# KiCad board Julelys LED.kicad_pcb (continued)
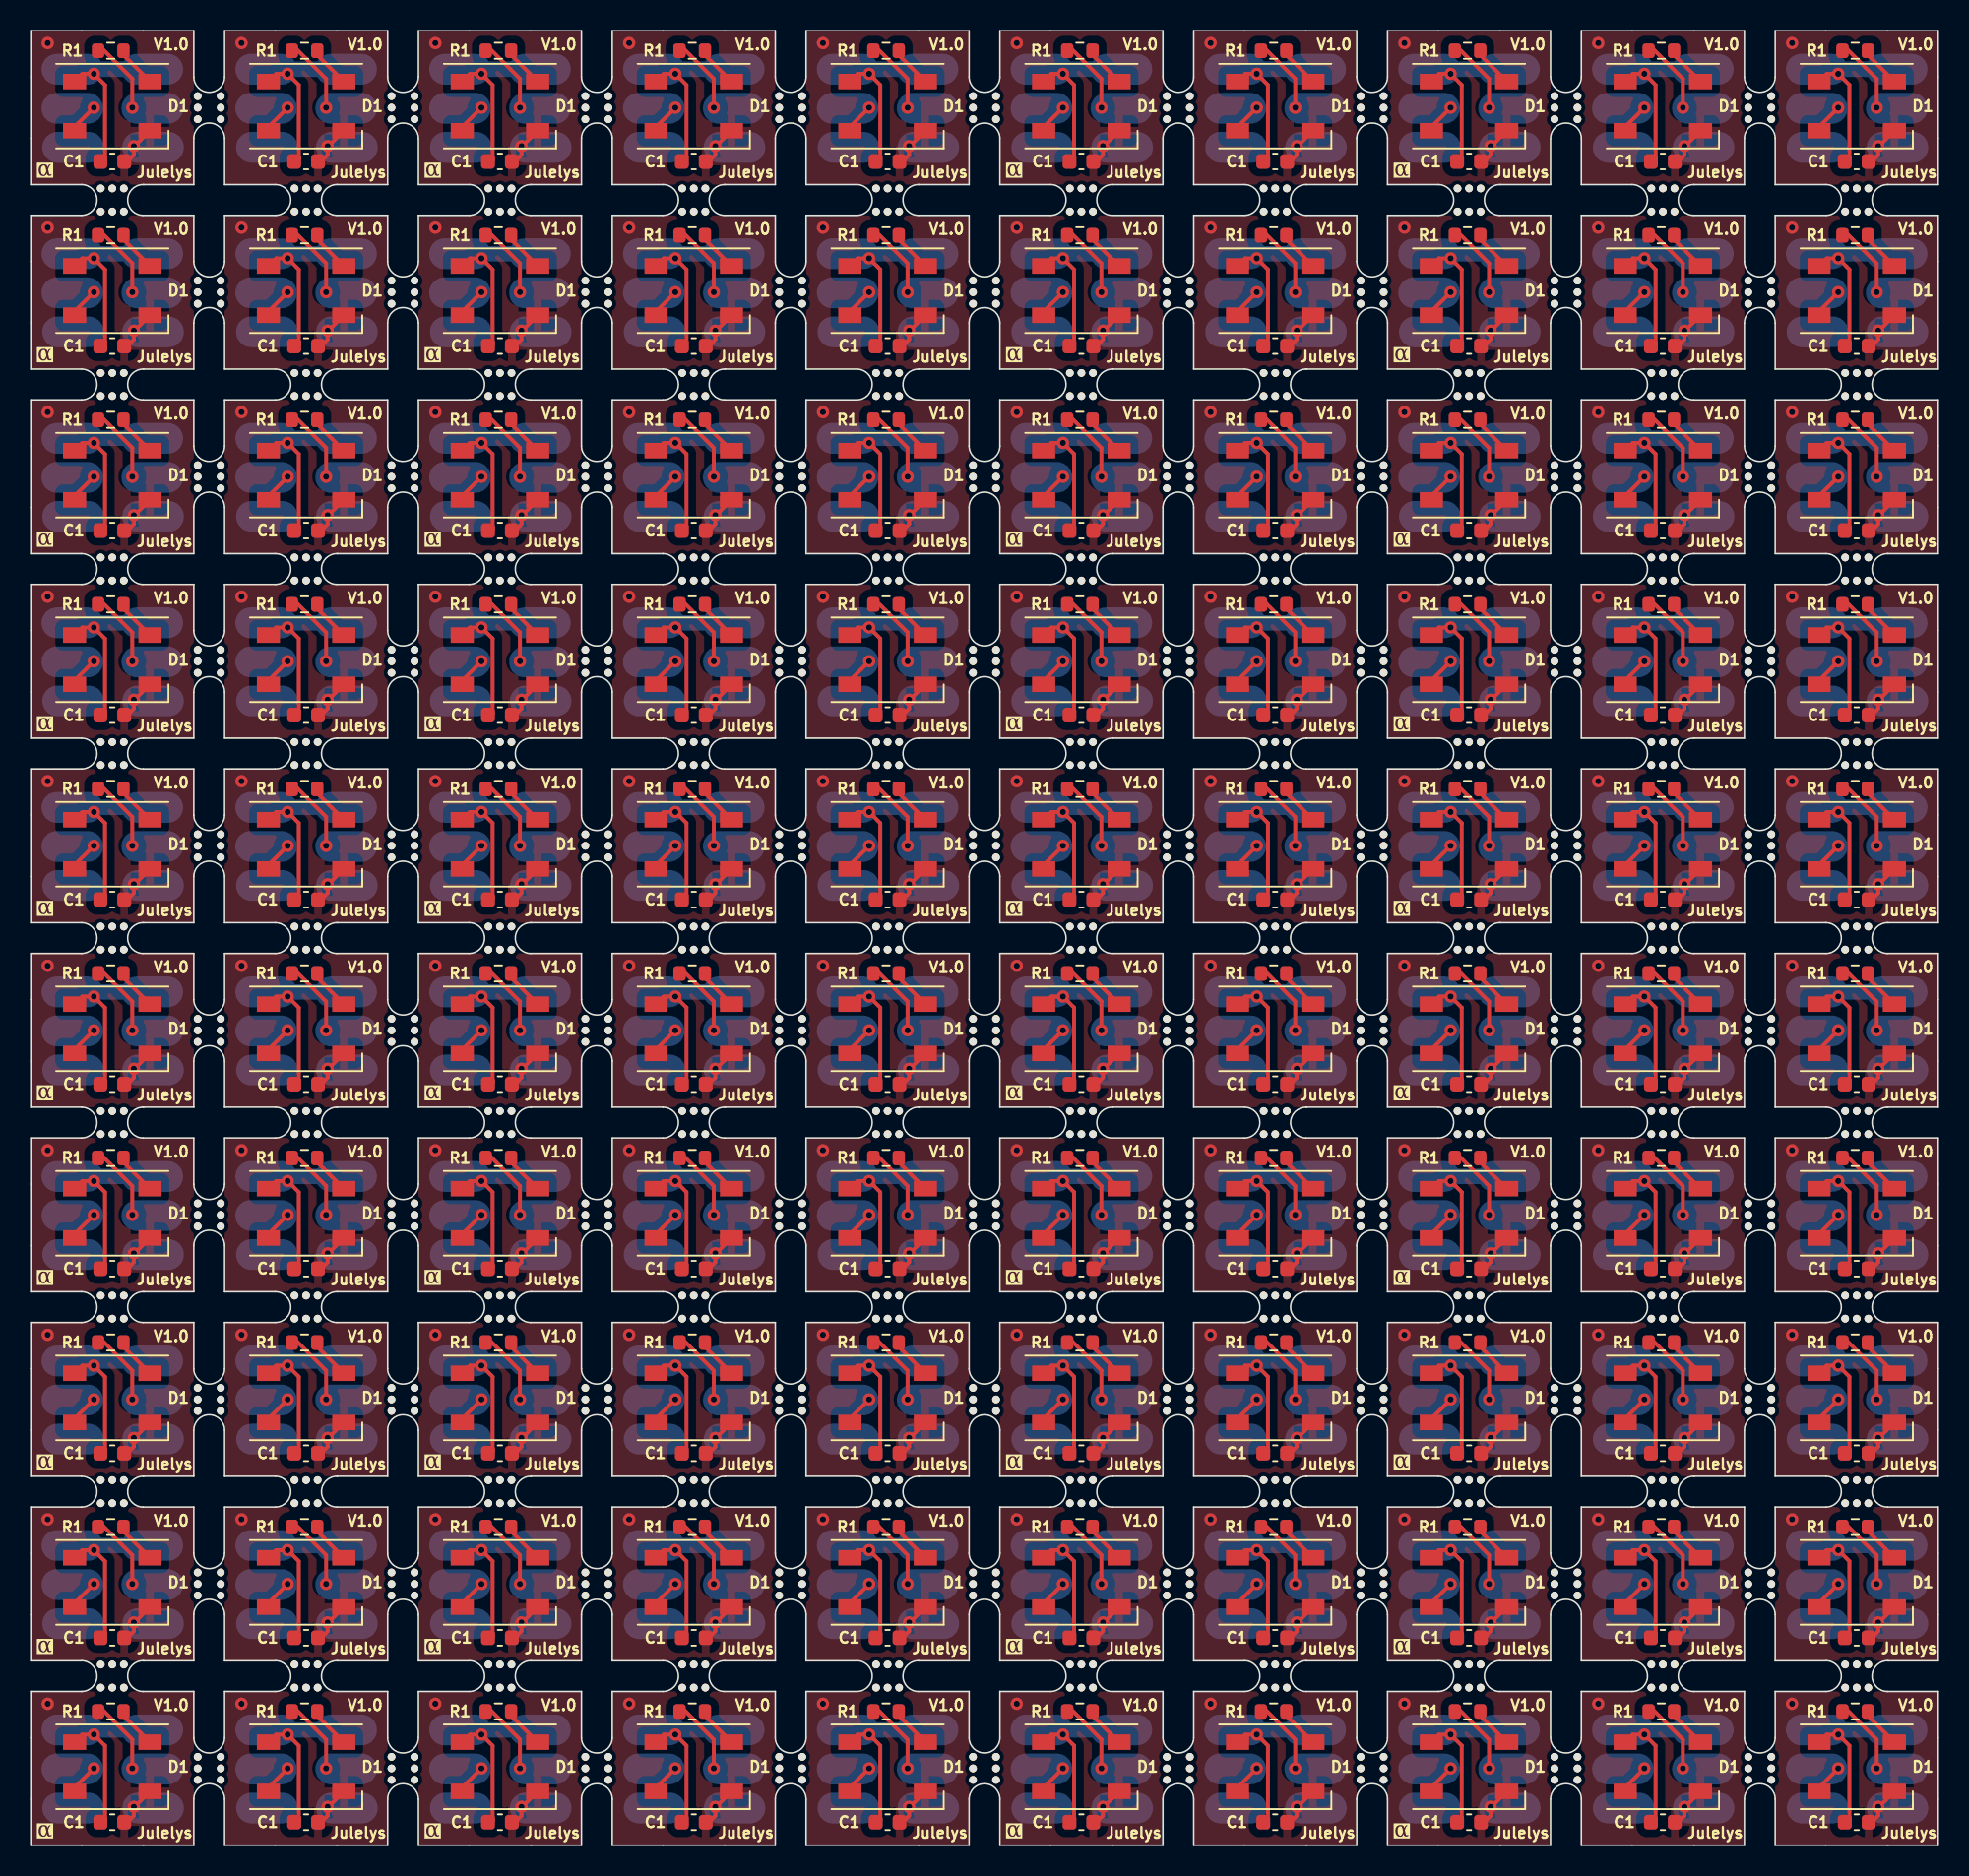
[diagram p0: board, top side]
## Nets (continued)
DOUT: D1.4 D1#2.4 D1#3.4 D1#4.4 D1#5.4 D1#6.4 D1#7.4 D1#8.4 D1#9.4 D1#10.4 D1#11.4 D1#12.4 D1#13.4 D1#14.4 D1#15.4 D1#16.4 D1#17.4 D1#18.4 D1#19.4 D1#20.4 D1#21.4 D1#22.4 D1#23.4 D1#24.4 D1#25.4 D1#26.4 D1#27.4 D1#28.4 D1#29.4 D1#30.4 D1#31.4 D1#32.4 D1#33.4 D1#34.4 D1#35.4 D1#36.4 D1#37.4 D1#38.4 D1#39.4 D1#40.4 D1#41.4 D1#42.4 D1#43.4 D1#44.4 D1#45.4 D1#46.4 D1#47.4 D1#48.4 D1#49.4 D1#50.4 D1#51.4 D1#52.4 D1#53.4 D1#54.4 D1#55.4 D1#56.4 D1#57.4 D1#58.4 D1#59.4 D1#60.4 D1#61.4 D1#62.4 D1#63.4 D1#64.4 D1#65.4 D1#66.4 D1#67.4 D1#68.4 D1#69.4 D1#70.4 D1#71.4 D1#72.4 D1#73.4 D1#74.4 D1#75.4 D1#76.4 D1#77.4 D1#78.4 D1#79.4 D1#80.4 D1#81.4 D1#82.4 D1#83.4 D1#84.4 D1#85.4 D1#86.4 D1#87.4 D1#88.4 D1#89.4 D1#90.4 D1#91.4 D1#92.4 D1#93.4 D1#94.4 D1#95.4 D1#96.4 D1#97.4 D1#98.4 D1#99.4 D1#100.4 P3.2 P3#2.2 P3#3.2 P3#4.2 P3#5.2 P3#6.2 P3#7.2 P3#8.2 P3#9.2 P3#10.2 P3#11.2 P3#12.2 P3#13.2 P3#14.2 P3#15.2 P3#16.2 P3#17.2 P3#18.2 P3#19.2 P3#20.2 P3#21.2 P3#22.2 P3#23.2 P3#24.2 P3#25.2 P3#26.2 P3#27.2 P3#28.2 P3#29.2 P3#30.2 P3#31.2 P3#32.2 P3#33.2 P3#34.2 P3#35.2 P3#36.2 P3#37.2 P3#38.2 P3#39.2 P3#40.2 P3#41.2 P3#42.2 P3#43.2 P3#44.2 P3#45.2 P3#46.2 P3#47.2 P3#48.2 P3#49.2 P3#50.2 P3#51.2 P3#52.2 P3#53.2 P3#54.2 P3#55.2 P3#56.2 P3#57.2 P3#58.2 P3#59.2 P3#60.2 P3#61.2 P3#62.2 P3#63.2 P3#64.2 P3#65.2 P3#66.2 P3#67.2 P3#68.2 P3#69.2 P3#70.2 P3#71.2 P3#72.2 P3#73.2 P3#74.2 P3#75.2 P3#76.2 P3#77.2 P3#78.2 P3#79.2 P3#80.2 P3#81.2 P3#82.2 P3#83.2 P3#84.2 P3#85.2 P3#86.2 P3#87.2 P3#88.2 P3#89.2 P3#90.2 P3#91.2 P3#92.2 P3#93.2 P3#94.2 P3#95.2 P3#96.2 P3#97.2 P3#98.2 P3#99.2 P3#100.2
Net-(D1-DIN): D1.2 D1#2.2 D1#3.2 D1#4.2 D1#5.2 D1#6.2 D1#7.2 D1#8.2 D1#9.2 D1#10.2 D1#11.2 D1#12.2 D1#13.2 D1#14.2 D1#15.2 D1#16.2 D1#17.2 D1#18.2 D1#19.2 D1#20.2 D1#21.2 D1#22.2 D1#23.2 D1#24.2 D1#25.2 D1#26.2 D1#27.2 D1#28.2 D1#29.2 D1#30.2 D1#31.2 D1#32.2 D1#33.2 D1#34.2 D1#35.2 D1#36.2 D1#37.2 D1#38.2 D1#39.2 D1#40.2 D1#41.2 D1#42.2 D1#43.2 D1#44.2 D1#45.2 D1#46.2 D1#47.2 D1#48.2 D1#49.2 D1#50.2 D1#51.2 D1#52.2 D1#53.2 D1#54.2 D1#55.2 D1#56.2 D1#57.2 D1#58.2 D1#59.2 D1#60.2 D1#61.2 D1#62.2 D1#63.2 D1#64.2 D1#65.2 D1#66.2 D1#67.2 D1#68.2 D1#69.2 D1#70.2 D1#71.2 D1#72.2 D1#73.2 D1#74.2 D1#75.2 D1#76.2 D1#77.2 D1#78.2 D1#79.2 D1#80.2 D1#81.2 D1#82.2 D1#83.2 D1#84.2 D1#85.2 D1#86.2 D1#87.2 D1#88.2 D1#89.2 D1#90.2 D1#91.2 D1#92.2 D1#93.2 D1#94.2 D1#95.2 D1#96.2 D1#97.2 D1#98.2 D1#99.2 D1#100.2 R1.2 R1#2.2 R1#3.2 R1#4.2 R1#5.2 R1#6.2 R1#7.2 R1#8.2 R1#9.2 R1#10.2 R1#11.2 R1#12.2 R1#13.2 R1#14.2 R1#15.2 R1#16.2 R1#17.2 R1#18.2 R1#19.2 R1#20.2 R1#21.2 R1#22.2 R1#23.2 R1#24.2 R1#25.2 R1#26.2 R1#27.2 R1#28.2 R1#29.2 R1#30.2 R1#31.2 R1#32.2 R1#33.2 R1#34.2 R1#35.2 R1#36.2 R1#37.2 R1#38.2 R1#39.2 R1#40.2 R1#41.2 R1#42.2 R1#43.2 R1#44.2 R1#45.2 R1#46.2 R1#47.2 R1#48.2 R1#49.2 R1#50.2 R1#51.2 R1#52.2 R1#53.2 R1#54.2 R1#55.2 R1#56.2 R1#57.2 R1#58.2 R1#59.2 R1#60.2 R1#61.2 R1#62.2 R1#63.2 R1#64.2 R1#65.2 R1#66.2 R1#67.2 R1#68.2 R1#69.2 R1#70.2 R1#71.2 R1#72.2 R1#73.2 R1#74.2 R1#75.2 R1#76.2 R1#77.2 R1#78.2 R1#79.2 R1#80.2 R1#81.2 R1#82.2 R1#83.2 R1#84.2 R1#85.2 R1#86.2 R1#87.2 R1#88.2 R1#89.2 R1#90.2 R1#91.2 R1#92.2 R1#93.2 R1#94.2 R1#95.2 R1#96.2 R1#97.2 R1#98.2 R1#99.2 R1#100.2

## Via types
v1: diameter 0.8, hole 0.4, Top to Bottom, 500 vias

## Routing (per net, layer and track width the routed paths; a pad name or vN(x,y) marks a point on that pad's centre or on a via; arc(x,y) is an arc through that point)
+5V: length 1298.2
  Top w0.25: D1#55.3 28.55,43.19 v1(29.3,43.19) 30.03,42.47 30.03,37.59 29.73,37.29 ; D1#53.3 66.35,115.19 v1(67.1,115.19) 67.83,114.47 67.83,109.59 67.52,109.29 ; 105.33,25.29 105.63,25.59 105.63,30.47 v1(104.9,31.19) 104.15,31.19 D1#59.3 ; 105.33,49.29 105.63,49.59 105.63,54.47 v1(104.9,55.19) 104.15,55.19 D1#98.3 ; 92.73,73.29 93.02,73.59 93.02,78.47 v1(92.3,79.19) 91.55,79.19 D1#100.3 ; D1#22.3 41.15,115.19 v1(41.9,115.19) 42.62,114.47 42.62,109.59 42.33,109.29 ; 80.13,13.29 80.42,13.59 80.42,18.47 v1(79.7,19.19) 78.95,19.19 D1#36.3 ; D1#41.3 104.15,7.2 v1(104.9,7.2) 105.63,6.47 105.63,1.6 105.33,1.3 ; 42.33,85.29 42.62,85.59 42.62,90.47 v1(41.9,91.19) 41.15,91.19 D1#82.3 ; D1#45.3 78.95,67.19 v1(79.7,67.19) 80.42,66.47 80.42,61.59 80.13,61.29 ; 67.52,97.29 67.83,97.59 67.83,102.47 v1(67.1,103.19) 66.35,103.19 D1#49.3 ; D1#42.3 66.35,7.2 v1(67.1,7.2) 67.83,6.47 67.83,1.6 67.52,1.3 ; 92.73,13.29 93.02,13.59 93.02,18.47 v1(92.3,19.19) 91.55,19.19 D1#32.3 ; 92.73,85.29 93.02,85.59 93.02,90.47 v1(92.3,91.19) 91.55,91.19 D1#30.3 ; 92.73,109.29 93.02,109.59 93.02,114.47 v1(92.3,115.19) 91.55,115.19 D1#57.3 ; D1#7.3 116.75,43.19 v1(117.5,43.19) 118.23,42.47 118.23,37.59 117.92,37.29 ; 4.53,13.29 4.83,13.59 4.83,18.47 v1(4.1,19.19) 3.35,19.19 D1#77.3 ; D1#46.3 104.15,19.19 v1(104.9,19.19) 105.63,18.47 105.63,13.59 105.33,13.29 ; 17.12,49.29 17.42,49.59 17.42,54.47 v1(16.7,55.19) 15.95,55.19 D1#44.3 ; D1#4.3 104.15,67.19 v1(104.9,67.19) 105.63,66.47 105.63,61.59 105.33,61.29 ; 17.12,13.29 17.42,13.59 17.42,18.47 v1(16.7,19.19) 15.95,19.19 D1#63.3 ; D1#58.3 116.75,19.19 v1(117.5,19.19) 118.23,18.47 118.23,13.59 117.92,13.29 ; 29.73,61.29 30.03,61.59 30.03,66.47 v1(29.3,67.19) 28.55,67.19 D1#91.3 ; 42.33,1.3 42.62,1.6 42.62,6.47 v1(41.9,7.2) 41.15,7.2 D1#48.3 ; 105.33,97.29 105.63,97.59 105.63,102.47 v1(104.9,103.19) 104.15,103.19 D1#24.3 ; 17.12,109.29 17.42,109.59 17.42,114.47 v1(16.7,115.19) 15.95,115.19 D1#74.3 ; 4.53,37.29 4.83,37.59 4.83,42.47 v1(4.1,43.19) 3.35,43.19 D1#23.3 ; D1#60.3 116.75,103.19 v1(117.5,103.19) 118.23,102.47 118.23,97.59 117.92,97.29 ; 4.53,73.29 4.83,73.59 4.83,78.47 v1(4.1,79.19) 3.35,79.19 D1#95.3 ; D1#27.3 41.15,43.19 v1(41.9,43.19) 42.62,42.47 42.62,37.59 42.33,37.29 ; D1#96.3 66.35,43.19 v1(67.1,43.19) 67.83,42.47 67.83,37.59 67.52,37.29 ; D1#75.3 53.75,67.19 v1(54.5,67.19) 55.23,66.47 55.23,61.59 54.92,61.29 ; 54.92,109.29 55.23,109.59 55.23,114.47 v1(54.5,115.19) 53.75,115.19 D1#92.3 ; D1#14.3 66.35,55.19 v1(67.1,55.19) 67.83,54.47 67.83,49.59 67.52,49.29 ; 29.73,49.29 30.03,49.59 30.03,54.47 v1(29.3,55.19) 28.55,55.19 D1#93.3 ; 67.52,25.29 67.83,25.59 67.83,30.47 v1(67.1,31.19) 66.35,31.19 D1#80.3 ; D1#47.3 41.15,31.19 v1(41.9,31.19) 42.62,30.47 42.62,25.59 42.33,25.29 ; D1#16.3 116.75,7.2 v1(117.5,7.2) 118.23,6.47 118.23,1.6 117.92,1.3 ; D1#37.3 116.75,55.19 v1(117.5,55.19) 118.23,54.47 118.23,49.59 117.92,49.29 ; D1#97.3 66.35,79.19 v1(67.1,79.19) 67.83,78.47 67.83,73.59 67.52,73.29 ; D1#31.3 78.95,115.19 v1(79.7,115.19) 80.42,114.47 80.42,109.59 80.13,109.29 ; 4.53,109.29 4.83,109.59 4.83,114.47 v1(4.1,115.19) 3.35,115.19 D1#11.3 ; D1#65.3 41.15,103.19 v1(41.9,103.19) 42.62,102.47 42.62,97.59 42.33,97.29 ; D1#68.3 78.95,103.19 v1(79.7,103.19) 80.42,102.47 80.42,97.59 80.13,97.29 ; 92.73,49.29 93.02,49.59 93.02,54.47 v1(92.3,55.19) 91.55,55.19 D1#51.3 ; D1#50.3 53.75,91.19 v1(54.5,91.19) 55.23,90.47 55.23,85.59 54.92,85.29 ; 29.73,73.29 30.03,73.59 30.03,78.47 v1(29.3,79.19) 28.55,79.19 D1#67.3 ; D1#35.3 28.55,115.19 v1(29.3,115.19) 30.03,114.47 30.03,109.59 29.73,109.29 ; D1#12.3 91.55,103.19 v1(92.3,103.19) 93.02,102.47 93.02,97.59 92.73,97.29 ; 17.12,37.29 17.42,37.59 17.42,42.47 v1(16.7,43.19) 15.95,43.19 D1#54.3 ; D1#66.3 116.75,79.19 v1(117.5,79.19) 118.23,78.47 118.23,73.59 117.92,73.29 ; 4.53,97.29 4.83,97.59 4.83,102.47 v1(4.1,103.19) 3.35,103.19 D1#40.3 ; 54.92,73.29 55.23,73.59 55.23,78.47 v1(54.5,79.19) 53.75,79.19 D1#6.3 ; D1#62.3 78.95,43.19 v1(79.7,43.19) 80.42,42.47 80.42,37.59 80.13,37.29 ; D1#94.3 104.15,115.19 v1(104.9,115.19) 105.63,114.47 105.63,109.59 105.33,109.29 ; 29.73,1.3 30.03,1.6 30.03,6.47 v1(29.3,7.2) 28.55,7.2 D1#34.3 ; 42.33,73.29 42.62,73.59 42.62,78.47 v1(41.9,79.19) 41.15,79.19 D1#38.3 ; D1#81.3 53.75,31.19 v1(54.5,31.19) 55.23,30.47 55.23,25.59 54.92,25.29 ; 105.33,85.29 105.63,85.59 105.63,90.47 v1(104.9,91.19) 104.15,91.19 D1#3.3 ; 105.33,73.29 105.63,73.59 105.63,78.47 v1(104.9,79.19) 104.15,79.19 D1#89.3 ; 105.33,37.29 105.63,37.59 105.63,42.47 v1(104.9,43.19) 104.15,43.19 D1#88.3 ; D1#43.3 91.55,31.19 v1(92.3,31.19) 93.02,30.47 93.02,25.59 92.73,25.29 ; D1#10.3 116.75,115.19 v1(117.5,115.19) 118.23,114.47 118.23,109.59 117.92,109.29 ; 17.12,61.29 17.42,61.59 17.42,66.47 v1(16.7,67.19) 15.95,67.19 D1#87.3 ; 42.33,49.29 42.62,49.59 42.62,54.47 v1(41.9,55.19) 41.15,55.19 D1#71.3 ; D1#9.3 53.75,43.19 v1(54.5,43.19) 55.23,42.47 55.23,37.59 54.92,37.29 ; D1#18.3 116.75,31.19 v1(117.5,31.19) 118.23,30.47 118.23,25.59 117.92,25.29 ; D1#19.3 91.55,67.19 v1(92.3,67.19) 93.02,66.47 93.02,61.59 92.73,61.29 ; D1#20.3 53.75,103.19 v1(54.5,103.19) 55.23,102.47 55.23,97.59 54.92,97.29 ; D1#85.3 78.95,79.19 v1(79.7,79.19) 80.42,78.47 80.42,73.59 80.13,73.29 ; D1#70.3 3.35,7.2 v1(4.1,7.2) 4.83,6.47 4.83,1.6 4.53,1.3 ; 17.12,73.29 17.42,73.59 17.42,78.47 v1(16.7,79.19) 15.95,79.19 D1#17.3 ; 29.73,25.29 30.03,25.59 30.03,30.47 v1(29.3,31.19) 28.55,31.19 D1.3 ; D1#52.3 116.75,67.19 v1(117.5,67.19) 118.23,66.47 118.23,61.59 117.92,61.29 ; 29.73,97.29 30.03,97.59 30.03,102.47 v1(29.3,103.19) 28.55,103.19 D1#5.3 ; 29.73,13.29 30.03,13.59 30.03,18.47 v1(29.3,19.19) 28.55,19.19 D1#64.3 ; 67.52,13.29 67.83,13.59 67.83,18.47 v1(67.1,19.19) 66.35,19.19 D1#39.3 ; 67.52,61.29 67.83,61.59 67.83,66.47 v1(67.1,67.19) 66.35,67.19 D1#13.3 ; 17.12,1.3 17.42,1.6 17.42,6.47 v1(16.7,7.2) 15.95,7.2 D1#73.3 ; D1#28.3 91.55,7.2 v1(92.3,7.2) 93.02,6.47 93.02,1.6 92.73,1.3 ; D1#15.3 78.95,7.2 v1(79.7,7.2) 80.42,6.47 80.42,1.6 80.13,1.3 ; 4.53,61.29 4.83,61.59 4.83,66.47 v1(4.1,67.19) 3.35,67.19 D1#99.3 ; D1#90.3 66.35,91.19 v1(67.1,91.19) 67.83,90.47 67.83,85.59 67.52,85.29 ; 4.53,25.29 4.83,25.59 4.83,30.47 v1(4.1,31.19) 3.35,31.19 D1#69.3 ; 54.92,13.29 55.23,13.59 55.23,18.47 v1(54.5,19.19) 53.75,19.19 D1#78.3 ; 80.13,25.29 80.42,25.59 80.42,30.47 v1(79.7,31.19) 78.95,31.19 D1#79.3 ; D1#2.3 41.15,67.19 v1(41.9,67.19) 42.62,66.47 42.62,61.59 42.33,61.29 ; 80.13,49.29 80.42,49.59 80.42,54.47 v1(79.7,55.19) 78.95,55.19 D1#29.3 ; D1#72.3 3.35,91.19 v1(4.1,91.19) 4.83,90.47 4.83,85.59 4.53,85.29 ; 54.92,49.29 55.23,49.59 55.23,54.47 v1(54.5,55.19) 53.75,55.19 D1#56.3 ; 92.73,37.29 93.02,37.59 93.02,42.47 v1(92.3,43.19) 91.55,43.19 D1#26.3 ; D1#76.3 3.35,55.19 v1(4.1,55.19) 4.83,54.47 4.83,49.59 4.53,49.29 ; 29.73,85.29 30.03,85.59 30.03,90.47 v1(29.3,91.19) 28.55,91.19 D1#83.3 ; D1#84.3 116.75,91.19 v1(117.5,91.19) 118.23,90.47 118.23,85.59 117.92,85.29 ; D1#33.3 15.95,91.19 v1(16.7,91.19) 17.42,90.47 17.42,85.59 17.12,85.29 ; 80.13,85.29 80.42,85.59 80.42,90.47 v1(79.7,91.19) 78.95,91.19 D1#21.3 ; D1#86.3 15.95,103.19 v1(16.7,103.19) 17.42,102.47 17.42,97.59 17.12,97.29 ; 42.33,13.29 42.62,13.59 42.62,18.47 v1(41.9,19.19) 41.15,19.19 D1#25.3 ; D1#8.3 53.75,7.2 v1(54.5,7.2) 55.23,6.47 55.23,1.6 54.92,1.3 ; 17.12,25.29 17.42,25.59 17.42,30.47 v1(16.7,31.19) 15.95,31.19 D1#61.3
  Bottom w1: P1#49.1 P3#47.1 ; P1#100.1 P3#70.1 ; P1#56.1 P3#25.1 ; P1#53.1 P3#99.1 ; P1#51.1 P3#62.1 ; P1#43.1 P3#69.1 ; P1#57.1 P3#64.1 ; 108.7,115.49 103.5,115.49 ; P1#62.1 P3#90.1 ; P1#87.1 P3#22.1 ; P1#32.1 P3#86.1 ; P1#60.1 P3#30.1 ; P1#54.1 P3#67.1 ; P1#93.1 P3#85.1 ; P1#82.1 P3#50.1 ; P1#52.1 P3#45.1 ; 20.5,115.49 15.3,115.49 ; P1#99.1 P3#10.1 ; P1#4.1 P3#34.1 ; P1#36.1 P3#27.1 ; P1#78.1 P3.1 ; P1#38.1 P3#32.1 ; 83.5,115.49 78.3,115.49 ; P1#35.1 P3#56.1 ; P1#76.1 P3#28.1 ; P1#48.1 P3#73.1 ; P1#5.1 P3#31.1 ; P1#27.1 P3#58.1 ; P1#30.1 P3#82.1 ; P1#61.1 P3#81.1 ; 33.1,115.49 27.9,115.49 ; P1#77.1 P3#8.1 ; P1#2.1 P3#97.1 ; P1#66.1 P3#38.1 ; P1#39.1 P3#94.1 ; P1#68.1 P3#9.1 ; P1#46.1 P3#53.1 ; P1#34.1 P3#75.1 ; P1#75.1 P3#26.1 ; P1#31.1 P3#93.1 ; P1#90.1 P3#21.1 ; P1#47.1 P3#59.1 ; P1#83.1 P3#41.1 ; P1#9.1 P3#87.1 ; P1#7.1 P3#52.1 ; P1#22.1 P3#37.1 ; P1#79.1 P3#7.1 ; P1#73.1 P3#68.1 ; P1#42.1 P3#40.1 ; P1#55.1 P3#55.1 ; P1#92.1 P3#14.1 ; P1#18.1 P3#60.1 ; P1#50.1 P3#88.1 ; P1#19.1 P3#6.1 ; P1#70.1 P3#57.1 ; 58.3,115.49 53.1,115.49 ; 121.3,115.49 116.1,115.49 ; P1#40.1 P3#74.1 ; P1#45.1 P3#92.1 ; 45.7,115.49 40.5,115.49 ; P1#96.1 P3#63.1 ; P1#69.1 P3#89.1 ; P1#88.1 P3#61.1 ; P1#16.1 P3#48.1 ; P1#6.1 P3#100.1 ; P1#33.1 P3#2.1 ; P1#13.1 P3#83.1 ; P1#74.1 P3#77.1 ; P1.1 P3#98.1 ; P1#37.1 P3#66.1 ; P1#17.1 P3#79.1 ; P1#44.1 P3#95.1 ; P1#98.1 P3#16.1 ; P1#24.1 P3#5.1 ; P1#63.1 P3#24.1 ; P1#11.1 P3#4.1 ; 7.9,115.49 2.7,115.49 ; P1#14.1 P3#80.1 ; P1#20.1 P3#13.1 ; P1#71.1 P3#54.1 ; P1#84.1 P3#20.1 ; P1#26.1 P3#71.1 ; 70.9,115.49 65.7,115.49 ; P1#59.1 P3#43.1 ; P1#23.1 P3#76.1 ; P1#29.1 P3#23.1 ; P1#25.1 P3#36.1 ; P1#58.1 P3#39.1 ; P1#21.1 P3#12.1 ; P1#97.1 P3#91.1 ; P1#86.1 P3#84.1 ; P1#81.1 P3#96.1 ; 96.1,115.49 90.9,115.49 ; P1#12.1 P3#78.1 ; P1#91.1 P3#72.1 ; P1#10.1 P3#33.1 ; P1#72.1 P3#17.1 ; P1#8.1 P3#11.1 ; P1#85.1 P3#3.1 ; P1#94.1 P3#18.1
GND: length 292.3
  Top w0.25: 31.28,13.29 31.9,13.92 v1(31.9,14.49) 31.95,14.49 D1#64.1 ; D1#44.1 19.35,50.49 v1(19.3,50.49) 19.3,49.92 18.67,49.29 ; D1#74.1 19.35,110.49 v1(19.3,110.49) 19.3,109.92 18.67,109.29 ; 43.88,1.3 44.5,1.92 v1(44.5,2.5) 44.55,2.5 D1#48.1 ; D1#57.1 94.95,110.49 v1(94.9,110.49) 94.9,109.92 94.27,109.29 ; 18.67,1.3 19.3,1.92 v1(19.3,2.5) 19.35,2.5 D1#73.1 ; 69.08,73.29 69.7,73.92 v1(69.7,74.49) 69.75,74.49 D1#97.1 ; D1#39.1 69.75,14.49 v1(69.7,14.49) 69.7,13.92 69.08,13.29 ; D1#66.1 120.15,74.49 v1(120.1,74.49) 120.1,73.92 119.48,73.29 ; 31.28,1.3 31.9,1.92 v1(31.9,2.5) 31.95,2.5 D1#34.1 ; D1#38.1 44.55,74.49 v1(44.5,74.49) 44.5,73.92 43.88,73.29 ; 106.88,97.29 107.5,97.92 v1(107.5,98.49) 107.55,98.49 D1#24.1 ; D1#84.1 120.15,86.49 v1(120.1,86.49) 120.1,85.92 119.48,85.29 ; 81.67,97.29 82.3,97.92 v1(82.3,98.49) 82.35,98.49 D1#68.1 ; D1#43.1 94.95,26.49 v1(94.9,26.49) 94.9,25.92 94.27,25.29 ; 81.67,49.29 82.3,49.92 v1(82.3,50.49) 82.35,50.49 D1#29.1 ; 94.27,37.29 94.9,37.92 v1(94.9,38.49) 94.95,38.49 D1#26.1 ; 18.67,73.29 19.3,73.92 v1(19.3,74.49) 19.35,74.49 D1#17.1 ; D1#8.1 57.15,2.5 v1(57.1,2.5) 57.1,1.92 56.48,1.3 ; D1#100.1 94.95,74.49 v1(94.9,74.49) 94.9,73.92 94.27,73.29 ; 43.88,97.29 44.5,97.92 v1(44.5,98.49) 44.55,98.49 D1#65.1 ; 106.88,73.29 107.5,73.92 v1(107.5,74.49) 107.55,74.49 D1#89.1 ; D1#28.1 94.95,2.5 v1(94.9,2.5) 94.9,1.92 94.27,1.3 ; D1#23.1 6.75,38.49 v1(6.7,38.49) 6.7,37.92 6.08,37.29 ; D1#88.1 107.55,38.49 v1(107.5,38.49) 107.5,37.92 106.88,37.29 ; D1#78.1 57.15,14.49 v1(57.1,14.49) 57.1,13.92 56.48,13.29 ; 56.48,37.29 57.1,37.92 v1(57.1,38.49) 57.15,38.49 D1#9.1 ; 18.67,97.29 19.3,97.92 v1(19.3,98.49) 19.35,98.49 D1#86.1 ; 81.67,85.29 82.3,85.92 v1(82.3,86.49) 82.35,86.49 D1#21.1 ; 43.88,25.29 44.5,25.92 v1(44.5,26.49) 44.55,26.49 D1#47.1 ; D1#35.1 31.95,110.49 v1(31.9,110.49) 31.9,109.92 31.28,109.29 ; D1#96.1 69.75,38.49 v1(69.7,38.49) 69.7,37.92 69.08,37.29 ; 18.67,85.29 19.3,85.92 v1(19.3,86.49) 19.35,86.49 D1#33.1 ; 106.88,49.29 107.5,49.92 v1(107.5,50.49) 107.55,50.49 D1#98.1 ; D1#82.1 44.55,86.49 v1(44.5,86.49) 44.5,85.92 43.88,85.29 ; D1#31.1 82.35,110.49 v1(82.3,110.49) 82.3,109.92 81.67,109.29 ; D1#30.1 94.95,86.49 v1(94.9,86.49) 94.9,85.92 94.27,85.29 ; D1#85.1 82.35,74.49 v1(82.3,74.49) 82.3,73.92 81.67,73.29 ; 56.48,109.29 57.1,109.92 v1(57.1,110.49) 57.15,110.49 D1#92.1 ; 56.48,61.29 57.1,61.92 v1(57.1,62.49) 57.15,62.49 D1#75.1 ; D1#14.1 69.75,50.49 v1(69.7,50.49) 69.7,49.92 69.08,49.29 ; D1#59.1 107.55,26.49 v1(107.5,26.49) 107.5,25.92 106.88,25.29 ; D1#83.1 31.95,86.49 v1(31.9,86.49) 31.9,85.92 31.28,85.29 ; 31.28,61.29 31.9,61.92 v1(31.9,62.49) 31.95,62.49 D1#91.1 ; D1#37.1 120.15,50.49 v1(120.1,50.49) 120.1,49.92 119.48,49.29 ; 106.88,13.29 107.5,13.92 v1(107.5,14.49) 107.55,14.49 D1#46.1 ; D1#19.1 94.95,62.49 v1(94.9,62.49) 94.9,61.92 94.27,61.29 ; 31.28,97.29 31.9,97.92 v1(31.9,98.49) 31.95,98.49 D1#5.1 ; 56.48,73.29 57.1,73.92 v1(57.1,74.49) 57.15,74.49 D1#6.1 ; 119.48,109.29 120.1,109.92 v1(120.1,110.49) 120.15,110.49 D1#10.1 ; D1#4.1 107.55,62.49 v1(107.5,62.49) 107.5,61.92 106.88,61.29 ; 56.48,85.29 57.1,85.92 v1(57.1,86.49) 57.15,86.49 D1#50.1 ; D1#13.1 69.75,62.49 v1(69.7,62.49) 69.7,61.92 69.08,61.29 ; D1#94.1 107.55,110.49 v1(107.5,110.49) 107.5,109.92 106.88,109.29 ; D1#61.1 19.35,26.49 v1(19.3,26.49) 19.3,25.92 18.67,25.29 ; 6.08,25.29 6.7,25.92 v1(6.7,26.49) 6.75,26.49 D1#69.1 ; D1#70.1 6.75,2.5 v1(6.7,2.5) 6.7,1.92 6.08,1.3 ; 69.08,109.29 69.7,109.92 v1(69.7,110.49) 69.75,110.49 D1#53.1 ; 69.08,85.29 69.7,85.92 v1(69.7,86.49) 69.75,86.49 D1#90.1 ; D1#60.1 120.15,98.49 v1(120.1,98.49) 120.1,97.92 119.48,97.29 ; 119.48,61.29 120.1,61.92 v1(120.1,62.49) 120.15,62.49 D1#52.1 ; 119.48,37.29 120.1,37.92 v1(120.1,38.49) 120.15,38.49 D1#7.1 ; 31.28,25.29 31.9,25.92 v1(31.9,26.49) 31.95,26.49 D1.1 ; 119.48,1.3 120.1,1.92 v1(120.1,2.5) 120.15,2.5 D1#16.1 ; 81.67,13.29 82.3,13.92 v1(82.3,14.49) 82.35,14.49 D1#36.1 ; D1#62.1 82.35,38.49 v1(82.3,38.49) 82.3,37.92 81.67,37.29 ; D1#18.1 120.15,26.49 v1(120.1,26.49) 120.1,25.92 119.48,25.29 ; 106.88,1.3 107.5,1.92 v1(107.5,2.5) 107.55,2.5 D1#41.1 ; D1#72.1 6.75,86.49 v1(6.7,86.49) 6.7,85.92 6.08,85.29 ; 81.67,1.3 82.3,1.92 v1(82.3,2.5) 82.35,2.5 D1#15.1 ; D1#99.1 6.75,62.49 v1(6.7,62.49) 6.7,61.92 6.08,61.29 ; 31.28,49.29 31.9,49.92 v1(31.9,50.49) 31.95,50.49 D1#93.1 ; 56.48,49.29 57.1,49.92 v1(57.1,50.49) 57.15,50.49 D1#56.1 ; D1#3.1 107.55,86.49 v1(107.5,86.49) 107.5,85.92 106.88,85.29 ; 43.88,37.29 44.5,37.92 v1(44.5,38.49) 44.55,38.49 D1#27.1 ; 119.48,13.29 120.1,13.92 v1(120.1,14.49) 120.15,14.49 D1#58.1 ; 69.08,97.29 69.7,97.92 v1(69.7,98.49) 69.75,98.49 D1#49.1 ; D1#54.1 19.35,38.49 v1(19.3,38.49) 19.3,37.92 18.67,37.29 ; D1#67.1 31.95,74.49 v1(31.9,74.49) 31.9,73.92 31.28,73.29 ; D1#71.1 44.55,50.49 v1(44.5,50.49) 44.5,49.92 43.88,49.29 ; D1#45.1 82.35,62.49 v1(82.3,62.49) 82.3,61.92 81.67,61.29 ; D1#63.1 19.35,14.49 v1(19.3,14.49) 19.3,13.92 18.67,13.29 ; D1#25.1 44.55,14.49 v1(44.5,14.49) 44.5,13.92 43.88,13.29 ; D1#87.1 19.35,62.49 v1(19.3,62.49) 19.3,61.92 18.67,61.29 ; 43.88,109.29 44.5,109.92 v1(44.5,110.49) 44.55,110.49 D1#22.1 ; 6.08,73.29 6.7,73.92 v1(6.7,74.49) 6.75,74.49 D1#95.1 ; 94.27,49.29 94.9,49.92 v1(94.9,50.49) 94.95,50.49 D1#51.1 ; D1#55.1 31.95,38.49 v1(31.9,38.49) 31.9,37.92 31.28,37.29 ; D1#79.1 82.35,26.49 v1(82.3,26.49) 82.3,25.92 81.67,25.29 ; D1#81.1 57.15,26.49 v1(57.1,26.49) 57.1,25.92 56.48,25.29 ; 6.08,109.29 6.7,109.92 v1(6.7,110.49) 6.75,110.49 D1#11.1 ; 43.88,61.29 44.5,61.92 v1(44.5,62.49) 44.55,62.49 D1#2.1 ; 56.48,97.29 57.1,97.92 v1(57.1,98.49) 57.15,98.49 D1#20.1 ; D1#42.1 69.75,2.5 v1(69.7,2.5) 69.7,1.92 69.08,1.3 ; D1#76.1 6.75,50.49 v1(6.7,50.49) 6.7,49.92 6.08,49.29 ; 69.08,25.29 69.7,25.92 v1(69.7,26.49) 69.75,26.49 D1#80.1 ; 6.08,13.29 6.7,13.92 v1(6.7,14.49) 6.75,14.49 D1#77.1 ; 6.08,97.29 6.7,97.92 v1(6.7,98.49) 6.75,98.49 D1#40.1 ; D1#12.1 94.95,98.49 v1(94.9,98.49) 94.9,97.92 94.27,97.29 ; D1#32.1 94.95,14.49 v1(94.9,14.49) 94.9,13.92 94.27,13.29
  vias: v1(1.1,117.19) v1(1.1,105.19) v1(1.1,93.19) v1(1.1,81.19) v1(1.1,69.19) v1(1.1,57.19) v1(1.1,45.19) v1(1.1,33.19) v1(1.1,21.19) v1(1.1,9.2) v1(13.7,117.19) v1(13.7,105.19) v1(13.7,93.19) v1(13.7,81.19) v1(13.7,69.19) v1(13.7,57.19) v1(13.7,45.19) v1(13.7,33.19) v1(13.7,21.19) v1(13.7,9.2) v1(26.3,117.19) v1(26.3,105.19) v1(26.3,93.19) v1(26.3,81.19) v1(26.3,69.19) v1(26.3,57.19) v1(26.3,45.19) v1(26.3,33.19) v1(26.3,21.19) v1(26.3,9.2) v1(38.9,117.19) v1(38.9,105.19) v1(38.9,93.19) v1(38.9,81.19) v1(38.9,69.19) v1(38.9,57.19) v1(38.9,45.19) v1(38.9,33.19) v1(38.9,21.19) v1(38.9,9.2) v1(51.5,117.19) v1(51.5,105.19) v1(51.5,93.19) v1(51.5,81.19) v1(51.5,69.19) v1(51.5,57.19) v1(51.5,45.19) v1(51.5,33.19) v1(51.5,21.19) v1(51.5,9.2) v1(64.1,117.19) v1(64.1,105.19) v1(64.1,93.19) v1(64.1,81.19) v1(64.1,69.19) v1(64.1,57.19) v1(64.1,45.19) v1(64.1,33.19) v1(64.1,21.19) v1(64.1,9.2) v1(76.7,117.19) v1(76.7,105.19) v1(76.7,93.19) v1(76.7,81.19) v1(76.7,69.19) v1(76.7,57.19) v1(76.7,45.19) v1(76.7,33.19) v1(76.7,21.19) v1(76.7,9.2) v1(89.3,117.19) v1(89.3,105.19) v1(89.3,93.19) v1(89.3,81.19) v1(89.3,69.19) v1(89.3,57.19) v1(89.3,45.19) v1(89.3,33.19) v1(89.3,21.19) v1(89.3,9.2) v1(101.9,117.19) v1(101.9,105.19) v1(101.9,93.19) v1(101.9,81.19) v1(101.9,69.19) v1(101.9,57.19) v1(101.9,45.19) v1(101.9,33.19) v1(101.9,21.19) v1(101.9,9.2) v1(114.5,117.19) v1(114.5,105.19) v1(114.5,93.19) v1(114.5,81.19) v1(114.5,69.19) v1(114.5,57.19) v1(114.5,45.19) v1(114.5,33.19) v1(114.5,21.19) v1(114.5,9.2)